# KiCad board shimarray.kicad_pcb
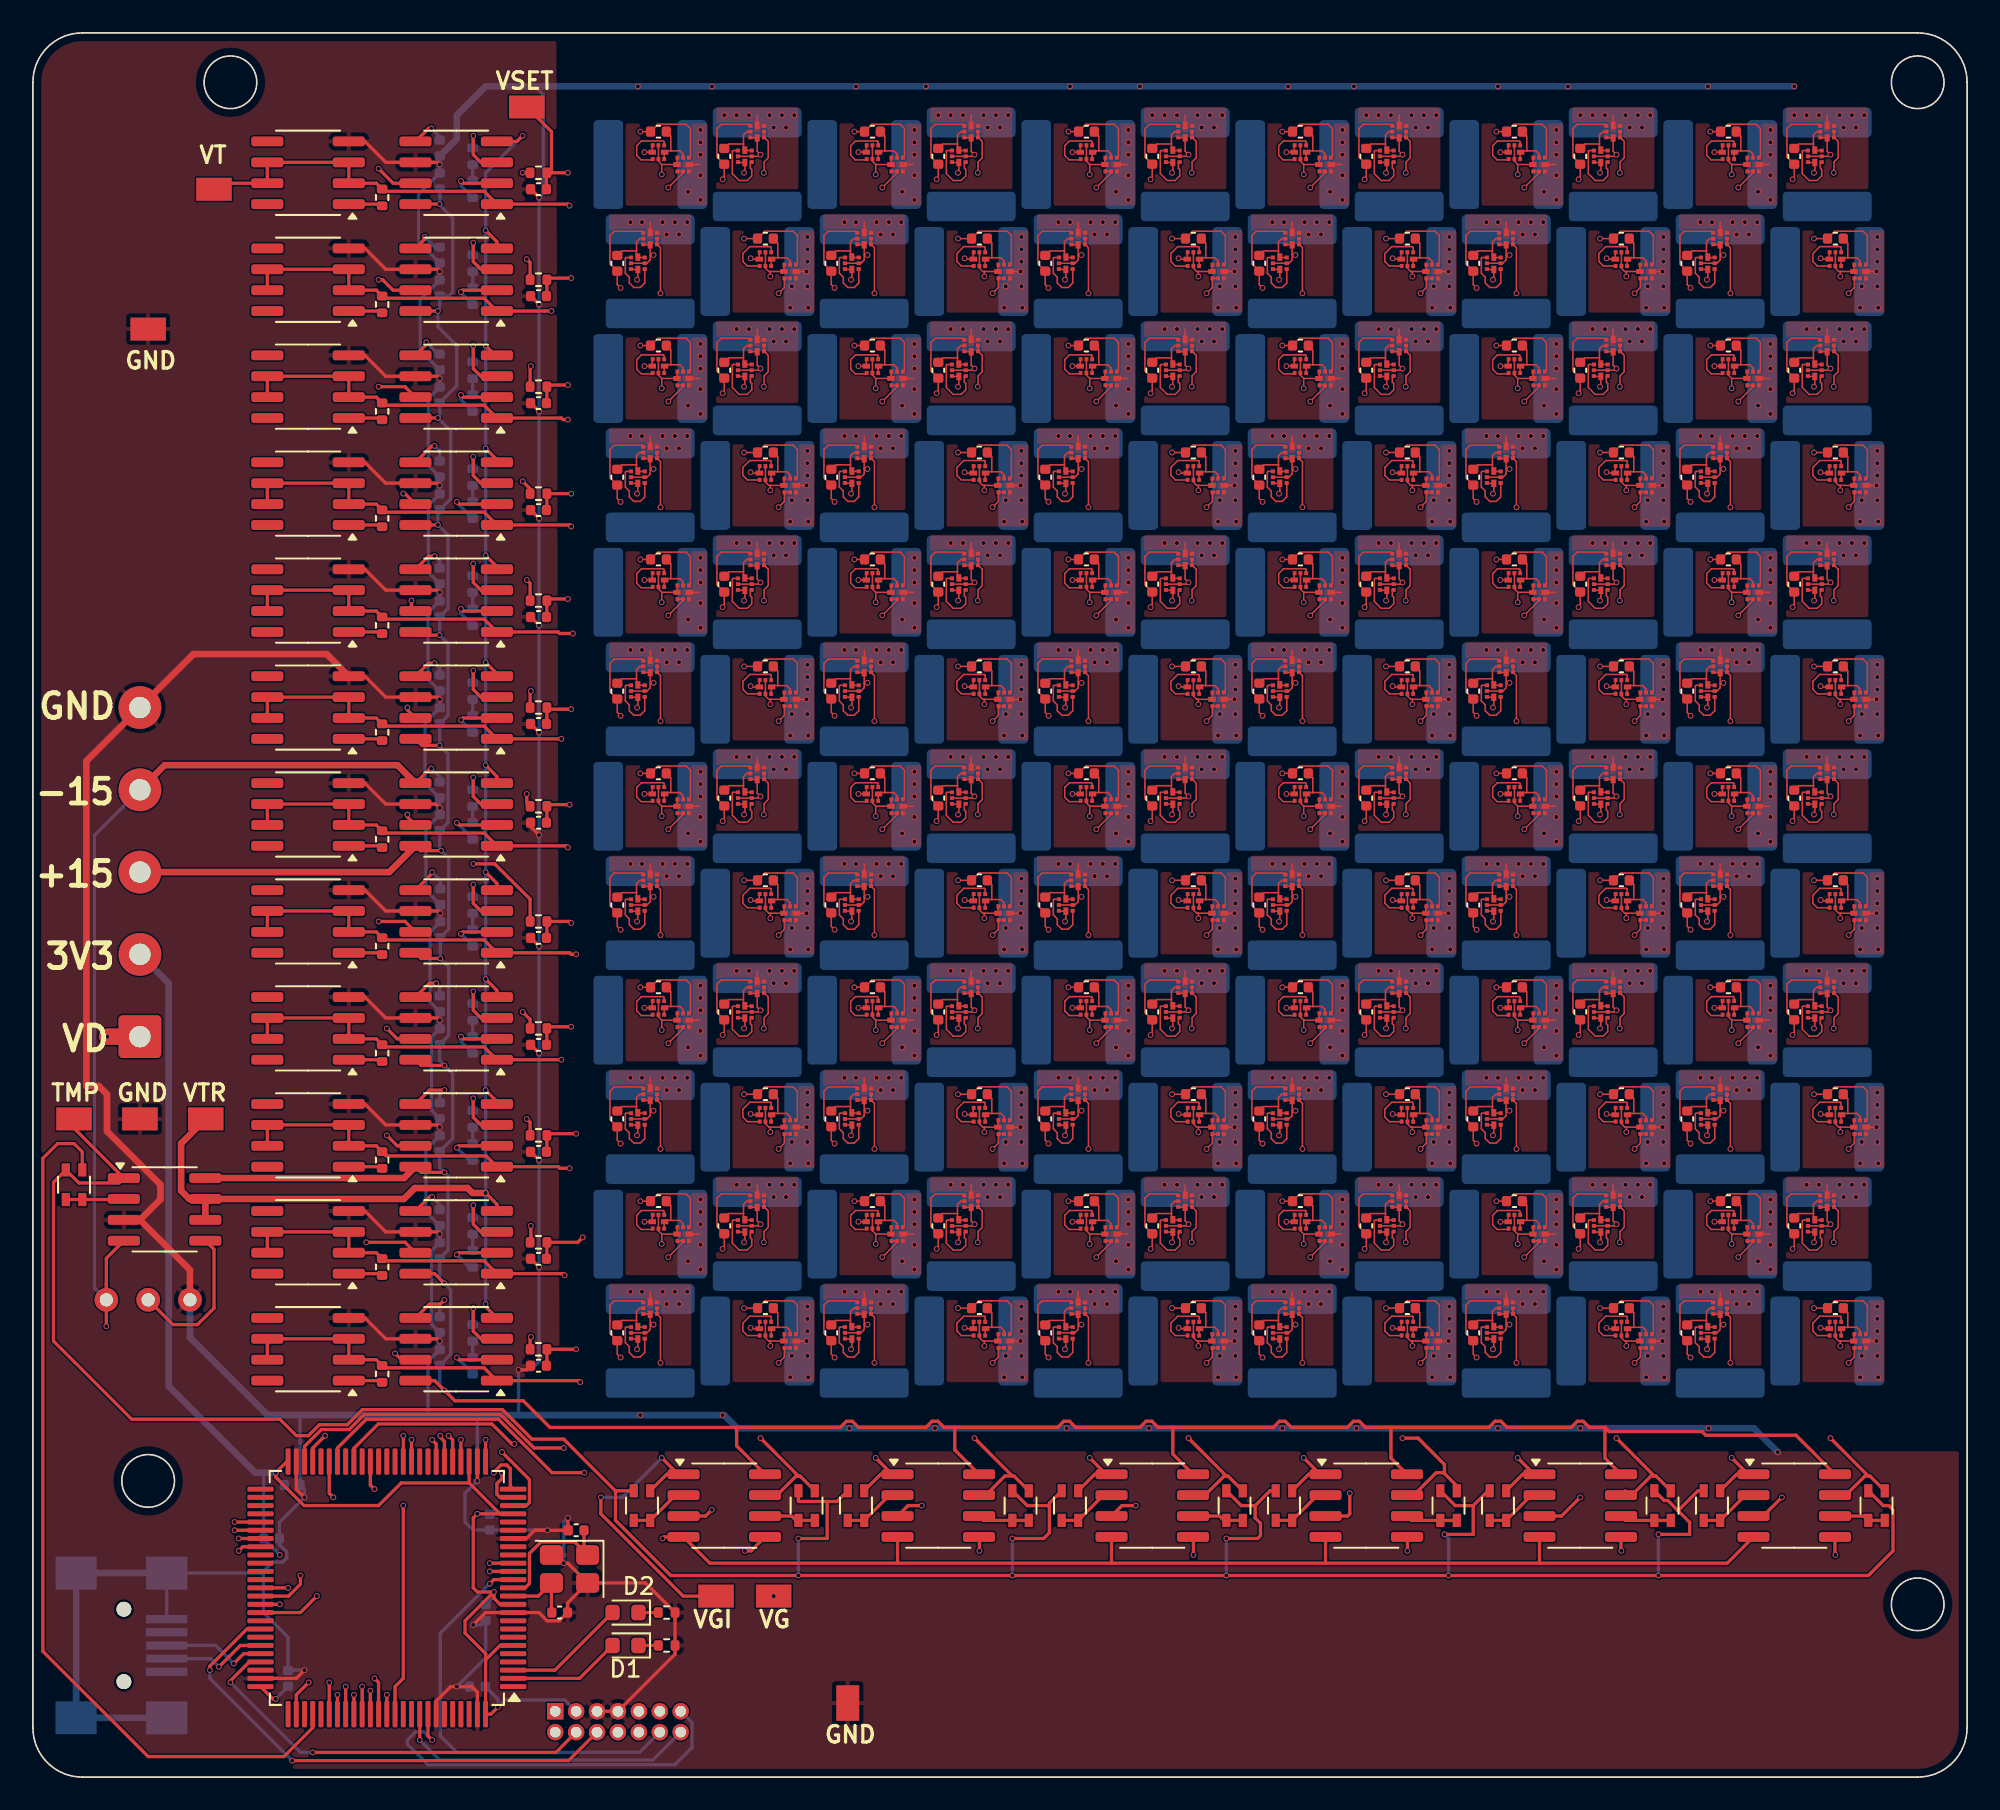
[diagram p0: board, top side]
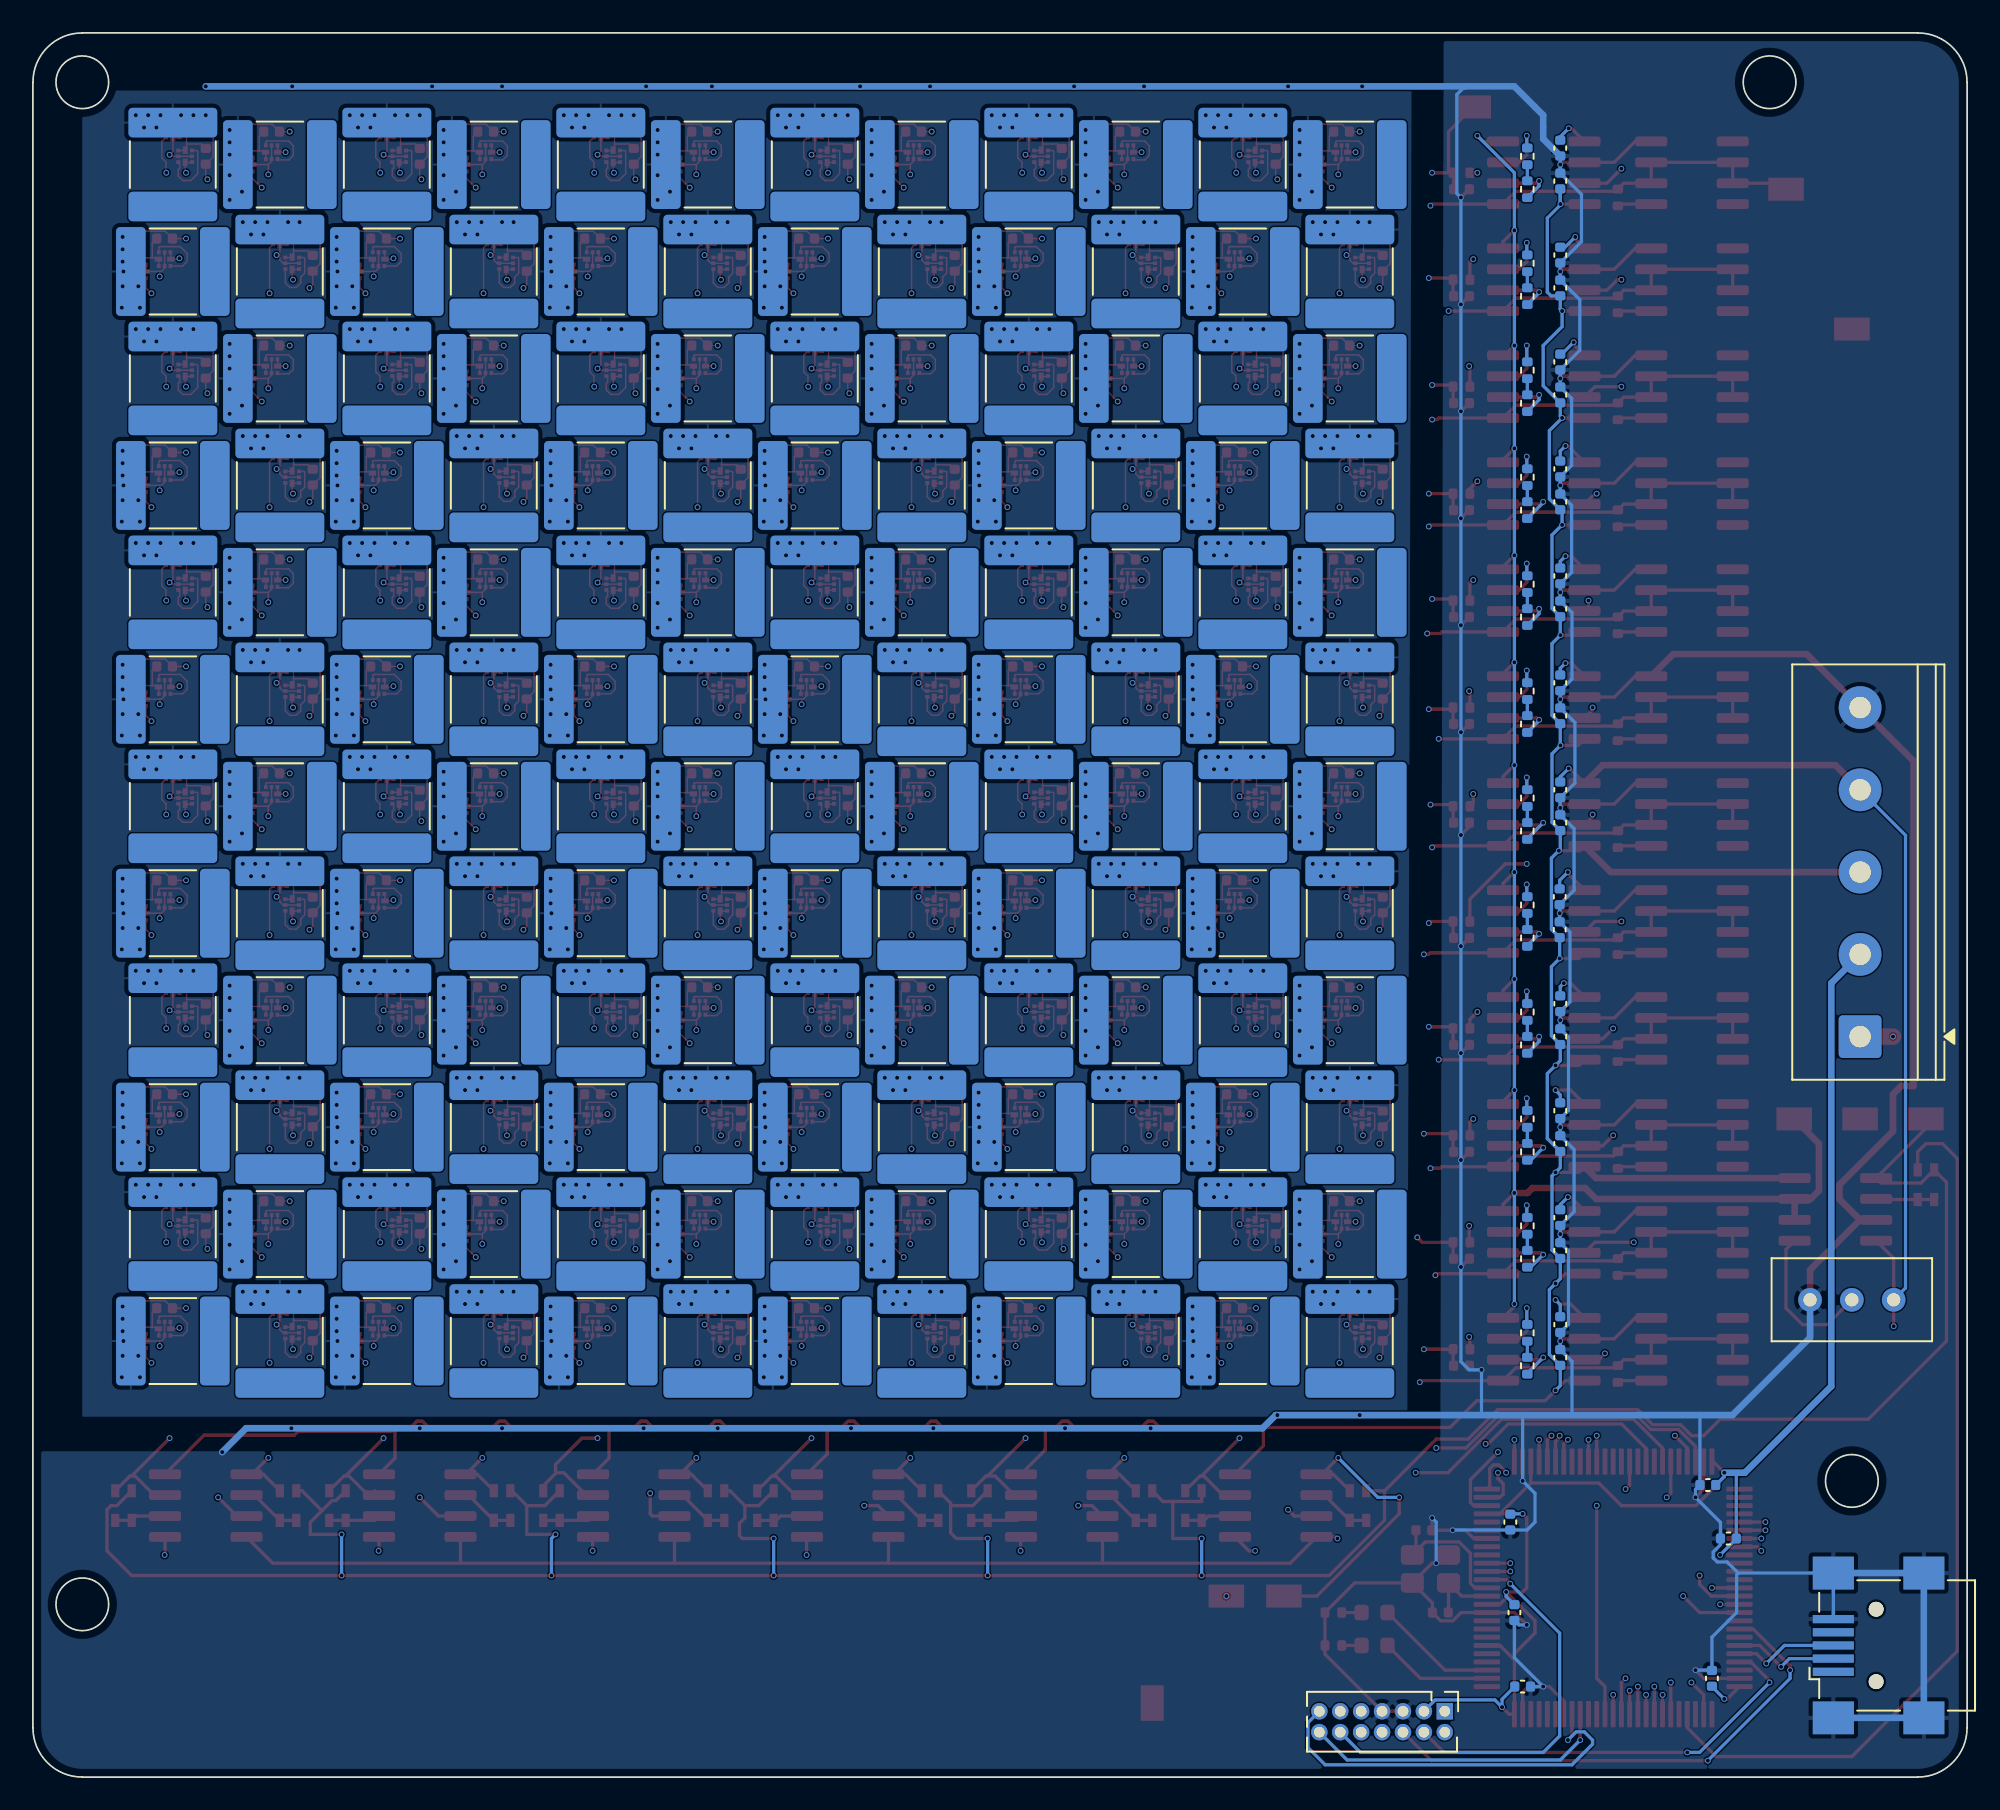
[diagram p1: board, bottom side, seen from below]

Outline 117.5 x 106 mm; copper layers: Top, In1.Cu, In2.Cu, Bottom. Coordinates in mm from the lower left corner of the outline.
Outline path: circle c7,18 r1.6 ; circle c12,103 r1.6 ; circle c114.5,103 r1.6 ; circle c114.5,10.5 r1.6 ; 0,103 0,3 arc(0.88,0.88) 3,0 114.5,0 arc(116.62,0.88) 117.5,3 117.5,103 arc(116.62,105.12) 114.5,106 3,106 arc(0.88,105.12) 0,103
Stack: Top 0.035mm / dielectric 0.1mm FR4 er 4.5 / In1.Cu 0.035mm / dielectric 1.24mm FR4 er 4.5 / In2.Cu 0.035mm / dielectric 0.1mm FR4 er 4.5 / Bottom 0.035mm

## Placement (name value [footprint] x y rotation side)
C1  10p  [C_0402_1005Metric]  32 10 0 top
C2  10p  [C_0402_1005Metric]  33 15 180 top
C3  100n  [C_0402_1005Metric]  15.5 6 90 bottom
C4  100n  [C_0402_1005Metric]  27.5 10 270 bottom
C5  100n  [C_0402_1005Metric]  27 5.5 180 bottom
C6  100n  [C_0402_1005Metric]  14.5 14.5 0 bottom
C7  100n  [C_0402_1005Metric]  15.75 17.75 0 bottom
C8  100n  [C_0402_1005Metric]  27.75 15.5 270 bottom
C9  100n  [C_0402_1005Metric]  30.71 96.5 180 top
C10  100n  [C_0402_1005Metric]  30.71 90 180 top
C11  100n  [C_0402_1005Metric]  30.71 83.5 180 top
C12  100n  [C_0402_1005Metric]  30.71 77 180 top
C13  100n  [C_0402_1005Metric]  30.71 70.5 180 top
C14  100n  [C_0402_1005Metric]  30.71 64 180 top
C15  100n  [C_0402_1005Metric]  30.71 58 180 top
C16  100n  [C_0402_1005Metric]  30.71 51 180 top
C17  100n  [C_0402_1005Metric]  30.71 44.5 180 top
C18  100n  [C_0402_1005Metric]  30.71 38 180 top
C19  100n  [C_0402_1005Metric]  30.71 31.5 180 top
C20  100n  [C_0402_1005Metric]  30.71 25 180 top
C21  100n  [C_0402_1005Metric]  38 100 180 top
C22  100n  [C_0402_1005Metric]  42 98.5 270 top
C23  100n  [C_0402_1005Metric]  35.5 92 270 top
C24  100n  [C_0402_1005Metric]  44.5 93.5 180 top
C25  100n  [C_0402_1005Metric]  55 98.5 270 top
C26  100n  [C_0402_1005Metric]  57.5 93.5 180 top
C27  100n  [C_0402_1005Metric]  48.5 92 270 top
C28  100n  [C_0402_1005Metric]  68 98.5 270 top
C29  100n  [C_0402_1005Metric]  70.5 93.5 180 top
C30  100n  [C_0402_1005Metric]  61.5 92 270 top
C31  100n  [C_0402_1005Metric]  64 100 180 top
C32  100n  [C_0402_1005Metric]  81 98.5 270 top
C33  100n  [C_0402_1005Metric]  83.5 93.5 180 top
C34  100n  [C_0402_1005Metric]  74.5 92 270 top
C35  100n  [C_0402_1005Metric]  77 100 180 top
C36  100n  [C_0402_1005Metric]  94 98.5 270 top
C37  100n  [C_0402_1005Metric]  96.5 93.5 180 top
C38  100n  [C_0402_1005Metric]  87.5 92 270 top
C39  100n  [C_0402_1005Metric]  90 100 180 top
C40  100n  [C_0402_1005Metric]  51 100 180 top
C41  100n  [C_0402_1005Metric]  107 98.5 270 top
C42  100n  [C_0402_1005Metric]  109.5 93.5 180 top
C43  100n  [C_0402_1005Metric]  100.5 92 270 top
C44  100n  [C_0402_1005Metric]  103 100 180 top
C45  100n  [C_0402_1005Metric]  24.71 86 270 bottom
C46  100n  [C_0402_1005Metric]  24.71 84 90 bottom
C47  100n  [C_0402_1005Metric]  24.71 79.5 270 bottom
C48  100n  [C_0402_1005Metric]  24.71 77.5 90 bottom
C49  100n  [C_0402_1005Metric]  24.71 73 270 bottom
C50  100n  [C_0402_1005Metric]  24.71 71 90 bottom
C51  100n  [C_0402_1005Metric]  24.71 66.5 270 bottom
C52  100n  [C_0402_1005Metric]  24.71 64.5 90 bottom
C53  100n  [C_0402_1005Metric]  24.71 60 270 bottom
C54  100n  [C_0402_1005Metric]  24.71 58 90 bottom
C55  100n  [C_0402_1005Metric]  24.75 53.5 270 bottom
C56  100n  [C_0402_1005Metric]  24.75 51.5 90 bottom
C57  100n  [C_0402_1005Metric]  24.71 47 270 bottom
C58  100n  [C_0402_1005Metric]  24.71 45 90 bottom
C59  100n  [C_0402_1005Metric]  24.71 40.5 270 bottom
C60  100n  [C_0402_1005Metric]  24.71 38.5 90 bottom
C61  100n  [C_0402_1005Metric]  24.71 34 270 bottom
C62  100n  [C_0402_1005Metric]  24.71 32 90 bottom
C63  100n  [C_0402_1005Metric]  24.71 27.5 270 bottom
C64  100n  [C_0402_1005Metric]  24.71 25.5 90 bottom
C65  100n  [C_0402_1005Metric]  42 85.5 270 top
C66  100n  [C_0402_1005Metric]  44.5 80.5 180 top
C67  100n  [C_0402_1005Metric]  35.5 79 270 top
C68  100n  [C_0402_1005Metric]  38 87 180 top
C69  100n  [C_0402_1005Metric]  55 85.5 270 top
C70  100n  [C_0402_1005Metric]  57.5 80.5 180 top
C71  100n  [C_0402_1005Metric]  48.5 79 270 top
C72  100n  [C_0402_1005Metric]  51 87 180 top
C73  100n  [C_0402_1005Metric]  68 85.5 270 top
C74  100n  [C_0402_1005Metric]  70.5 80.5 180 top
C75  100n  [C_0402_1005Metric]  61.5 79 270 top
C76  100n  [C_0402_1005Metric]  64 87 180 top
C77  100n  [C_0402_1005Metric]  81 85.5 270 top
C78  100n  [C_0402_1005Metric]  83.5 80.5 180 top
C79  100n  [C_0402_1005Metric]  74.5 79 270 top
C80  100n  [C_0402_1005Metric]  77 87 180 top
C81  100n  [C_0402_1005Metric]  94 85.5 270 top
C82  100n  [C_0402_1005Metric]  96.5 80.5 180 top
C83  100n  [C_0402_1005Metric]  87.5 79 270 top
C84  100n  [C_0402_1005Metric]  90 87 180 top
C85  100n  [C_0402_1005Metric]  107 85.5 270 top
C86  100n  [C_0402_1005Metric]  109.5 80.5 180 top
C87  100n  [C_0402_1005Metric]  100.5 79 270 top
C88  100n  [C_0402_1005Metric]  103 87 180 top
C89  100n  [C_0402_1005Metric]  42 72.5 270 top
C90  100n  [C_0402_1005Metric]  44.5 67.5 180 top
C91  100n  [C_0402_1005Metric]  35.5 66 270 top
C92  100n  [C_0402_1005Metric]  38 74 180 top
C93  100n  [C_0402_1005Metric]  55 72.5 270 top
C94  100n  [C_0402_1005Metric]  57.5 67.5 180 top
C95  100n  [C_0402_1005Metric]  48.5 66 270 top
C96  100n  [C_0402_1005Metric]  51 74 180 top
C97  100n  [C_0402_1005Metric]  68 72.5 270 top
C98  100n  [C_0402_1005Metric]  70.5 67.5 180 top
C99  100n  [C_0402_1005Metric]  61.5 66 270 top
C100  100n  [C_0402_1005Metric]  64 74 180 top
C101  100n  [C_0402_1005Metric]  81 72.5 270 top
C102  100n  [C_0402_1005Metric]  83.5 67.5 180 top
C103  100n  [C_0402_1005Metric]  74.5 66 270 top
C104  100n  [C_0402_1005Metric]  77 74 180 top
C105  100n  [C_0402_1005Metric]  94 72.5 270 top
C106  100n  [C_0402_1005Metric]  96.5 67.5 180 top
C107  100n  [C_0402_1005Metric]  87.5 66 270 top
C108  100n  [C_0402_1005Metric]  90 74 180 top
C109  100n  [C_0402_1005Metric]  107 72.5 270 top
C110  100n  [C_0402_1005Metric]  109.5 67.5 180 top
C111  100n  [C_0402_1005Metric]  100.5 66 270 top
C112  100n  [C_0402_1005Metric]  103 74 180 top
C113  100n  [C_0402_1005Metric]  42 59.5 270 top
C114  100n  [C_0402_1005Metric]  44.5 54.5 180 top
C115  100n  [C_0402_1005Metric]  35.5 53 270 top
C116  100n  [C_0402_1005Metric]  38 61 180 top
C117  100n  [C_0402_1005Metric]  55 59.5 270 top
C118  100n  [C_0402_1005Metric]  57.5 54.5 180 top
C119  100n  [C_0402_1005Metric]  48.5 53 270 top
C120  100n  [C_0402_1005Metric]  51 61 180 top
C121  100n  [C_0402_1005Metric]  68 59.5 270 top
C122  100n  [C_0402_1005Metric]  70.5 54.5 180 top
C123  100n  [C_0402_1005Metric]  61.5 53 270 top
C124  100n  [C_0402_1005Metric]  64 61 180 top
C125  100n  [C_0402_1005Metric]  81 59.5 270 top
C126  100n  [C_0402_1005Metric]  83.5 54.5 180 top
C127  100n  [C_0402_1005Metric]  74.5 53 270 top
C128  100n  [C_0402_1005Metric]  77 61 180 top
C129  100n  [C_0402_1005Metric]  94 59.5 270 top
C130  100n  [C_0402_1005Metric]  96.5 54.5 180 top
C131  100n  [C_0402_1005Metric]  87.5 53 270 top
C132  100n  [C_0402_1005Metric]  90 61 180 top
C133  100n  [C_0402_1005Metric]  107 59.5 270 top
C134  100n  [C_0402_1005Metric]  109.5 54.5 180 top
C135  100n  [C_0402_1005Metric]  100.5 53 270 top
C136  100n  [C_0402_1005Metric]  103 61 180 top
C137  100n  [C_0402_1005Metric]  42 46.5 270 top
C138  100n  [C_0402_1005Metric]  44.5 41.5 180 top
C139  100n  [C_0402_1005Metric]  35.5 40 270 top
C140  100n  [C_0402_1005Metric]  38 48 180 top
C141  100n  [C_0402_1005Metric]  55 46.5 270 top
C142  100n  [C_0402_1005Metric]  57.5 41.5 180 top
C143  100n  [C_0402_1005Metric]  48.5 40 270 top
C144  100n  [C_0402_1005Metric]  51 48 180 top
C145  100n  [C_0402_1005Metric]  68 46.5 270 top
C146  100n  [C_0402_1005Metric]  70.5 41.5 180 top
C147  100n  [C_0402_1005Metric]  61.5 40 270 top
C148  100n  [C_0402_1005Metric]  64 48 180 top
C149  100n  [C_0402_1005Metric]  81 46.5 270 top
C150  100n  [C_0402_1005Metric]  83.5 41.5 180 top
C151  100n  [C_0402_1005Metric]  74.5 40 270 top
C152  100n  [C_0402_1005Metric]  77 48 180 top
C153  100n  [C_0402_1005Metric]  94 46.5 270 top
C154  100n  [C_0402_1005Metric]  96.5 41.5 180 top
C155  100n  [C_0402_1005Metric]  87.5 40 270 top
C156  100n  [C_0402_1005Metric]  90 48 180 top
C157  100n  [C_0402_1005Metric]  24.71 99 270 bottom
C158  100n  [C_0402_1005Metric]  24.71 97 90 bottom
C159  100n  [C_0402_1005Metric]  24.71 92.5 270 bottom
C160  100n  [C_0402_1005Metric]  24.71 90.5 90 bottom
C161  100n  [C_0402_1005Metric]  107 46.5 270 top
C162  100n  [C_0402_1005Metric]  109.5 41.5 180 top
C163  100n  [C_0402_1005Metric]  100.5 40 270 top
C164  100n  [C_0402_1005Metric]  103 48 180 top
C165  100n  [C_0402_1005Metric]  42 33.5 270 top
C166  100n  [C_0402_1005Metric]  44.5 28.5 180 top
C167  100n  [C_0402_1005Metric]  35.5 27 270 top
C168  100n  [C_0402_1005Metric]  38 35 180 top
C169  100n  [C_0402_1005Metric]  55 33.5 270 top
C170  100n  [C_0402_1005Metric]  57.5 28.5 180 top
C171  100n  [C_0402_1005Metric]  48.5 27 270 top
C172  100n  [C_0402_1005Metric]  51 35 180 top
C173  100n  [C_0402_1005Metric]  68 33.5 270 top
C174  100n  [C_0402_1005Metric]  70.5 28.5 180 top
C175  100n  [C_0402_1005Metric]  61.5 27 270 top
C176  100n  [C_0402_1005Metric]  64 35 180 top
C177  100n  [C_0402_1005Metric]  81 33.5 270 top
C178  100n  [C_0402_1005Metric]  83.5 28.5 180 top
C179  100n  [C_0402_1005Metric]  74.5 27 270 top
C180  100n  [C_0402_1005Metric]  77 35 180 top
C181  100n  [C_0402_1005Metric]  94 33.5 270 top
C182  100n  [C_0402_1005Metric]  96.5 28.5 180 top
C183  100n  [C_0402_1005Metric]  87.5 27 270 top
C184  100n  [C_0402_1005Metric]  90 35 180 top
C185  100n  [C_0402_1005Metric]  107 33.5 270 top
C186  100n  [C_0402_1005Metric]  109.5 28.5 180 top
C187  100n  [C_0402_1005Metric]  100.5 27 270 top
C188  100n  [C_0402_1005Metric]  103 35 180 top
D1  LED_Small  [LED_0603_1608Metric]  36 8 180 top
D2  LED_Small  [LED_0603_1608Metric]  36 10 180 top
FB1  FerriteBead  [C_2220_5750Metric]  37.5 98 180 bottom
FB2  FerriteBead  [C_2220_5750Metric]  44 98 270 bottom
FB3  FerriteBead  [C_2220_5750Metric]  37.5 91.5 270 bottom
FB4  FerriteBead  [C_2220_5750Metric]  44 91.5 180 bottom
FB5  FerriteBead  [C_2220_5750Metric]  57 98 270 bottom
FB6  FerriteBead  [C_2220_5750Metric]  57 91.5 180 bottom
FB7  FerriteBead  [C_2220_5750Metric]  50.5 91.5 270 bottom
FB8  FerriteBead  [C_2220_5750Metric]  70 98 270 bottom
FB9  FerriteBead  [C_2220_5750Metric]  70 91.5 180 bottom
FB10  FerriteBead  [C_2220_5750Metric]  63.5 91.5 270 bottom
FB11  FerriteBead  [C_2220_5750Metric]  63.5 98 180 bottom
FB12  FerriteBead  [C_2220_5750Metric]  83 98 270 bottom
FB13  FerriteBead  [C_2220_5750Metric]  83 91.5 180 bottom
FB14  FerriteBead  [C_2220_5750Metric]  76.5 91.5 270 bottom
FB15  FerriteBead  [C_2220_5750Metric]  76.5 98 180 bottom
FB16  FerriteBead  [C_2220_5750Metric]  96 98 270 bottom
FB17  FerriteBead  [C_2220_5750Metric]  96 91.5 180 bottom
FB18  FerriteBead  [C_2220_5750Metric]  89.5 91.5 270 bottom
FB19  FerriteBead  [C_2220_5750Metric]  89.5 98 180 bottom
FB20  FerriteBead  [C_2220_5750Metric]  50.5 98 180 bottom
FB21  FerriteBead  [C_2220_5750Metric]  109 98 270 bottom
FB22  FerriteBead  [C_2220_5750Metric]  109 91.5 180 bottom
FB23  FerriteBead  [C_2220_5750Metric]  102.5 91.5 270 bottom
FB24  FerriteBead  [C_2220_5750Metric]  102.5 98 180 bottom
FB25  FerriteBead  [C_2220_5750Metric]  44 85 270 bottom
FB26  FerriteBead  [C_2220_5750Metric]  44 78.5 180 bottom
FB27  FerriteBead  [C_2220_5750Metric]  37.5 78.5 270 bottom
FB28  FerriteBead  [C_2220_5750Metric]  37.5 85 180 bottom
FB29  FerriteBead  [C_2220_5750Metric]  57 85 270 bottom
FB30  FerriteBead  [C_2220_5750Metric]  57 78.5 180 bottom
FB31  FerriteBead  [C_2220_5750Metric]  50.5 78.5 270 bottom
FB32  FerriteBead  [C_2220_5750Metric]  50.5 85 180 bottom
FB33  FerriteBead  [C_2220_5750Metric]  70 85 270 bottom
FB34  FerriteBead  [C_2220_5750Metric]  70 78.5 180 bottom
FB35  FerriteBead  [C_2220_5750Metric]  63.5 78.5 270 bottom
FB36  FerriteBead  [C_2220_5750Metric]  63.5 85 180 bottom
FB37  FerriteBead  [C_2220_5750Metric]  83 85 270 bottom
FB38  FerriteBead  [C_2220_5750Metric]  83 78.5 180 bottom
FB39  FerriteBead  [C_2220_5750Metric]  76.5 78.5 270 bottom
FB40  FerriteBead  [C_2220_5750Metric]  76.5 85 180 bottom
FB41  FerriteBead  [C_2220_5750Metric]  96 85 270 bottom
FB42  FerriteBead  [C_2220_5750Metric]  96 78.5 180 bottom
FB43  FerriteBead  [C_2220_5750Metric]  89.5 78.5 270 bottom
FB44  FerriteBead  [C_2220_5750Metric]  89.5 85 180 bottom
FB45  FerriteBead  [C_2220_5750Metric]  109 85 270 bottom
FB46  FerriteBead  [C_2220_5750Metric]  109 78.5 180 bottom
FB47  FerriteBead  [C_2220_5750Metric]  102.5 78.5 270 bottom
FB48  FerriteBead  [C_2220_5750Metric]  102.5 85 180 bottom
FB49  FerriteBead  [C_2220_5750Metric]  44 72 270 bottom
FB50  FerriteBead  [C_2220_5750Metric]  44 65.5 180 bottom
FB51  FerriteBead  [C_2220_5750Metric]  37.5 65.5 270 bottom
FB52  FerriteBead  [C_2220_5750Metric]  37.5 72 180 bottom
FB53  FerriteBead  [C_2220_5750Metric]  57 72 270 bottom
FB54  FerriteBead  [C_2220_5750Metric]  57 65.5 180 bottom
FB55  FerriteBead  [C_2220_5750Metric]  50.5 65.5 270 bottom
FB56  FerriteBead  [C_2220_5750Metric]  50.5 72 180 bottom
FB57  FerriteBead  [C_2220_5750Metric]  70 72 270 bottom
FB58  FerriteBead  [C_2220_5750Metric]  70 65.5 180 bottom
FB59  FerriteBead  [C_2220_5750Metric]  63.5 65.5 270 bottom
FB60  FerriteBead  [C_2220_5750Metric]  63.5 72 180 bottom
FB61  FerriteBead  [C_2220_5750Metric]  83 72 270 bottom
FB62  FerriteBead  [C_2220_5750Metric]  83 65.5 180 bottom
FB63  FerriteBead  [C_2220_5750Metric]  76.5 65.5 270 bottom
FB64  FerriteBead  [C_2220_5750Metric]  76.5 72 180 bottom
FB65  FerriteBead  [C_2220_5750Metric]  96 72 270 bottom
FB66  FerriteBead  [C_2220_5750Metric]  96 65.5 180 bottom
FB67  FerriteBead  [C_2220_5750Metric]  89.5 65.5 270 bottom
FB68  FerriteBead  [C_2220_5750Metric]  89.5 72 180 bottom
FB69  FerriteBead  [C_2220_5750Metric]  109 72 270 bottom
FB70  FerriteBead  [C_2220_5750Metric]  109 65.5 180 bottom
FB71  FerriteBead  [C_2220_5750Metric]  102.5 65.5 270 bottom
FB72  FerriteBead  [C_2220_5750Metric]  102.5 72 180 bottom
FB73  FerriteBead  [C_2220_5750Metric]  44 59 270 bottom
FB74  FerriteBead  [C_2220_5750Metric]  44 52.5 180 bottom
FB75  FerriteBead  [C_2220_5750Metric]  37.5 52.5 270 bottom
FB76  FerriteBead  [C_2220_5750Metric]  37.5 59 180 bottom
FB77  FerriteBead  [C_2220_5750Metric]  57 59 270 bottom
FB78  FerriteBead  [C_2220_5750Metric]  57 52.5 180 bottom
FB79  FerriteBead  [C_2220_5750Metric]  50.5 52.5 270 bottom
FB80  FerriteBead  [C_2220_5750Metric]  50.5 59 180 bottom
FB81  FerriteBead  [C_2220_5750Metric]  70 59 270 bottom
FB82  FerriteBead  [C_2220_5750Metric]  70 52.5 180 bottom
FB83  FerriteBead  [C_2220_5750Metric]  63.5 52.5 270 bottom
FB84  FerriteBead  [C_2220_5750Metric]  63.5 59 180 bottom
FB85  FerriteBead  [C_2220_5750Metric]  83 59 270 bottom
FB86  FerriteBead  [C_2220_5750Metric]  83 52.5 180 bottom
FB87  FerriteBead  [C_2220_5750Metric]  76.5 52.5 270 bottom
FB88  FerriteBead  [C_2220_5750Metric]  76.5 59 180 bottom
FB89  FerriteBead  [C_2220_5750Metric]  96 59 270 bottom
FB90  FerriteBead  [C_2220_5750Metric]  96 52.5 180 bottom
FB91  FerriteBead  [C_2220_5750Metric]  89.5 52.5 270 bottom
FB92  FerriteBead  [C_2220_5750Metric]  89.5 59 180 bottom
FB93  FerriteBead  [C_2220_5750Metric]  109 59 270 bottom
FB94  FerriteBead  [C_2220_5750Metric]  109 52.5 180 bottom
FB95  FerriteBead  [C_2220_5750Metric]  102.5 52.5 270 bottom
FB96  FerriteBead  [C_2220_5750Metric]  102.5 59 180 bottom
FB97  FerriteBead  [C_2220_5750Metric]  44 46 270 bottom
FB98  FerriteBead  [C_2220_5750Metric]  44 39.5 180 bottom
FB99  FerriteBead  [C_2220_5750Metric]  37.5 39.5 270 bottom
FB100  FerriteBead  [C_2220_5750Metric]  37.5 46 180 bottom
FB101  FerriteBead  [C_2220_5750Metric]  57 46 270 bottom
FB102  FerriteBead  [C_2220_5750Metric]  57 39.5 180 bottom
FB103  FerriteBead  [C_2220_5750Metric]  50.5 39.5 270 bottom
FB104  FerriteBead  [C_2220_5750Metric]  50.5 46 180 bottom
FB105  FerriteBead  [C_2220_5750Metric]  70 46 270 bottom
FB106  FerriteBead  [C_2220_5750Metric]  70 39.5 180 bottom
FB107  FerriteBead  [C_2220_5750Metric]  63.5 39.5 270 bottom
FB108  FerriteBead  [C_2220_5750Metric]  63.5 46 180 bottom
FB109  FerriteBead  [C_2220_5750Metric]  83 46 270 bottom
FB110  FerriteBead  [C_2220_5750Metric]  83 39.5 180 bottom
FB111  FerriteBead  [C_2220_5750Metric]  76.5 39.5 270 bottom
FB112  FerriteBead  [C_2220_5750Metric]  76.5 46 180 bottom
FB113  FerriteBead  [C_2220_5750Metric]  96 46 270 bottom
FB114  FerriteBead  [C_2220_5750Metric]  96 39.5 180 bottom
FB115  FerriteBead  [C_2220_5750Metric]  89.5 39.5 270 bottom
FB116  FerriteBead  [C_2220_5750Metric]  89.5 46 180 bottom
FB117  FerriteBead  [C_2220_5750Metric]  109 46 270 bottom
FB118  FerriteBead  [C_2220_5750Metric]  109 39.5 180 bottom
FB119  FerriteBead  [C_2220_5750Metric]  102.5 39.5 270 bottom
FB120  FerriteBead  [C_2220_5750Metric]  102.5 46 180 bottom
FB121  FerriteBead  [C_2220_5750Metric]  44 33 270 bottom
FB122  FerriteBead  [C_2220_5750Metric]  44 26.5 180 bottom
FB123  FerriteBead  [C_2220_5750Metric]  37.5 26.5 270 bottom
FB124  FerriteBead  [C_2220_5750Metric]  37.5 33 180 bottom
FB125  FerriteBead  [C_2220_5750Metric]  57 33 270 bottom
FB126  FerriteBead  [C_2220_5750Metric]  57 26.5 180 bottom
FB127  FerriteBead  [C_2220_5750Metric]  50.5 26.5 270 bottom
FB128  FerriteBead  [C_2220_5750Metric]  50.5 33 180 bottom
FB129  FerriteBead  [C_2220_5750Metric]  70 33 270 bottom
FB130  FerriteBead  [C_2220_5750Metric]  70 26.5 180 bottom
FB131  FerriteBead  [C_2220_5750Metric]  63.5 26.5 270 bottom
FB132  FerriteBead  [C_2220_5750Metric]  63.5 33 180 bottom
FB133  FerriteBead  [C_2220_5750Metric]  83 33 270 bottom
FB134  FerriteBead  [C_2220_5750Metric]  83 26.5 180 bottom
FB135  FerriteBead  [C_2220_5750Metric]  76.5 26.5 270 bottom
FB136  FerriteBead  [C_2220_5750Metric]  76.5 33 180 bottom
FB137  FerriteBead  [C_2220_5750Metric]  96 33 270 bottom
FB138  FerriteBead  [C_2220_5750Metric]  96 26.5 180 bottom
FB139  FerriteBead  [C_2220_5750Metric]  89.5 26.5 270 bottom
FB140  FerriteBead  [C_2220_5750Metric]  89.5 33 180 bottom